# Altium PCB nRF52840-kit.PcbDoc (part 1 of 5)
Units mm, origin at the board's own origin, x right, y up, seen from the top; angles counter-clockwise.
Board outline 48 x 29.82 mm, 4 copper layers (Top Layer, Mid-Layer 1, Mid-Layer 2, Bottom Layer), stack 1.505 mm thick; 383 components, 85 nets, 1399 pads, 1434 vias.
Unrouted connection lines stored in the file: 8.
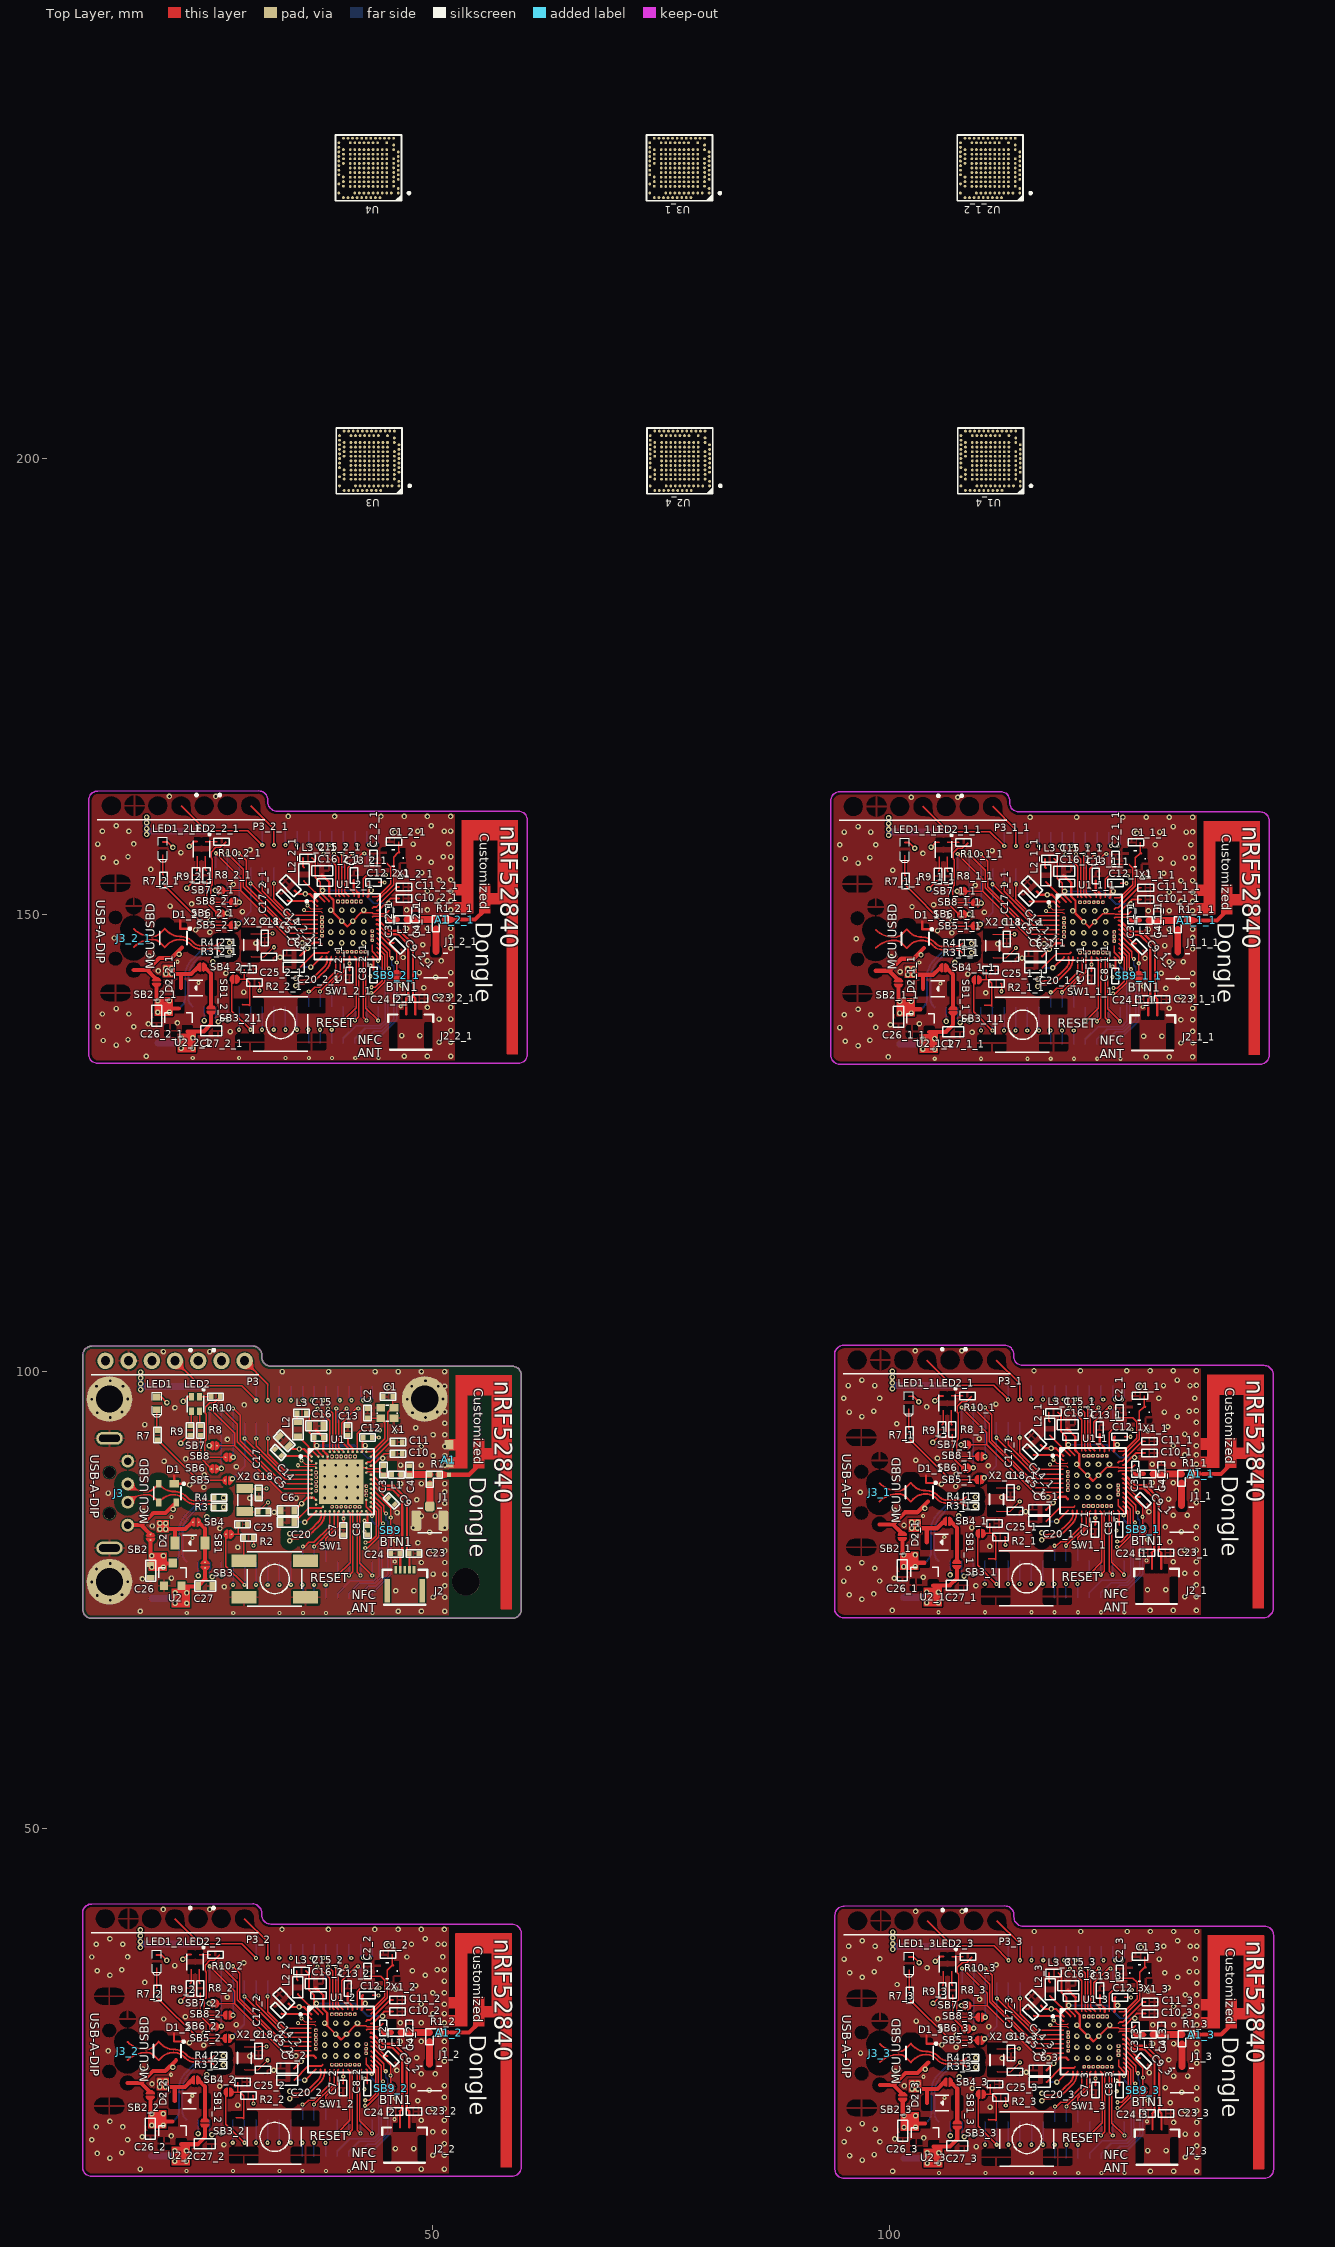
[diagram p0: Top Layer view]
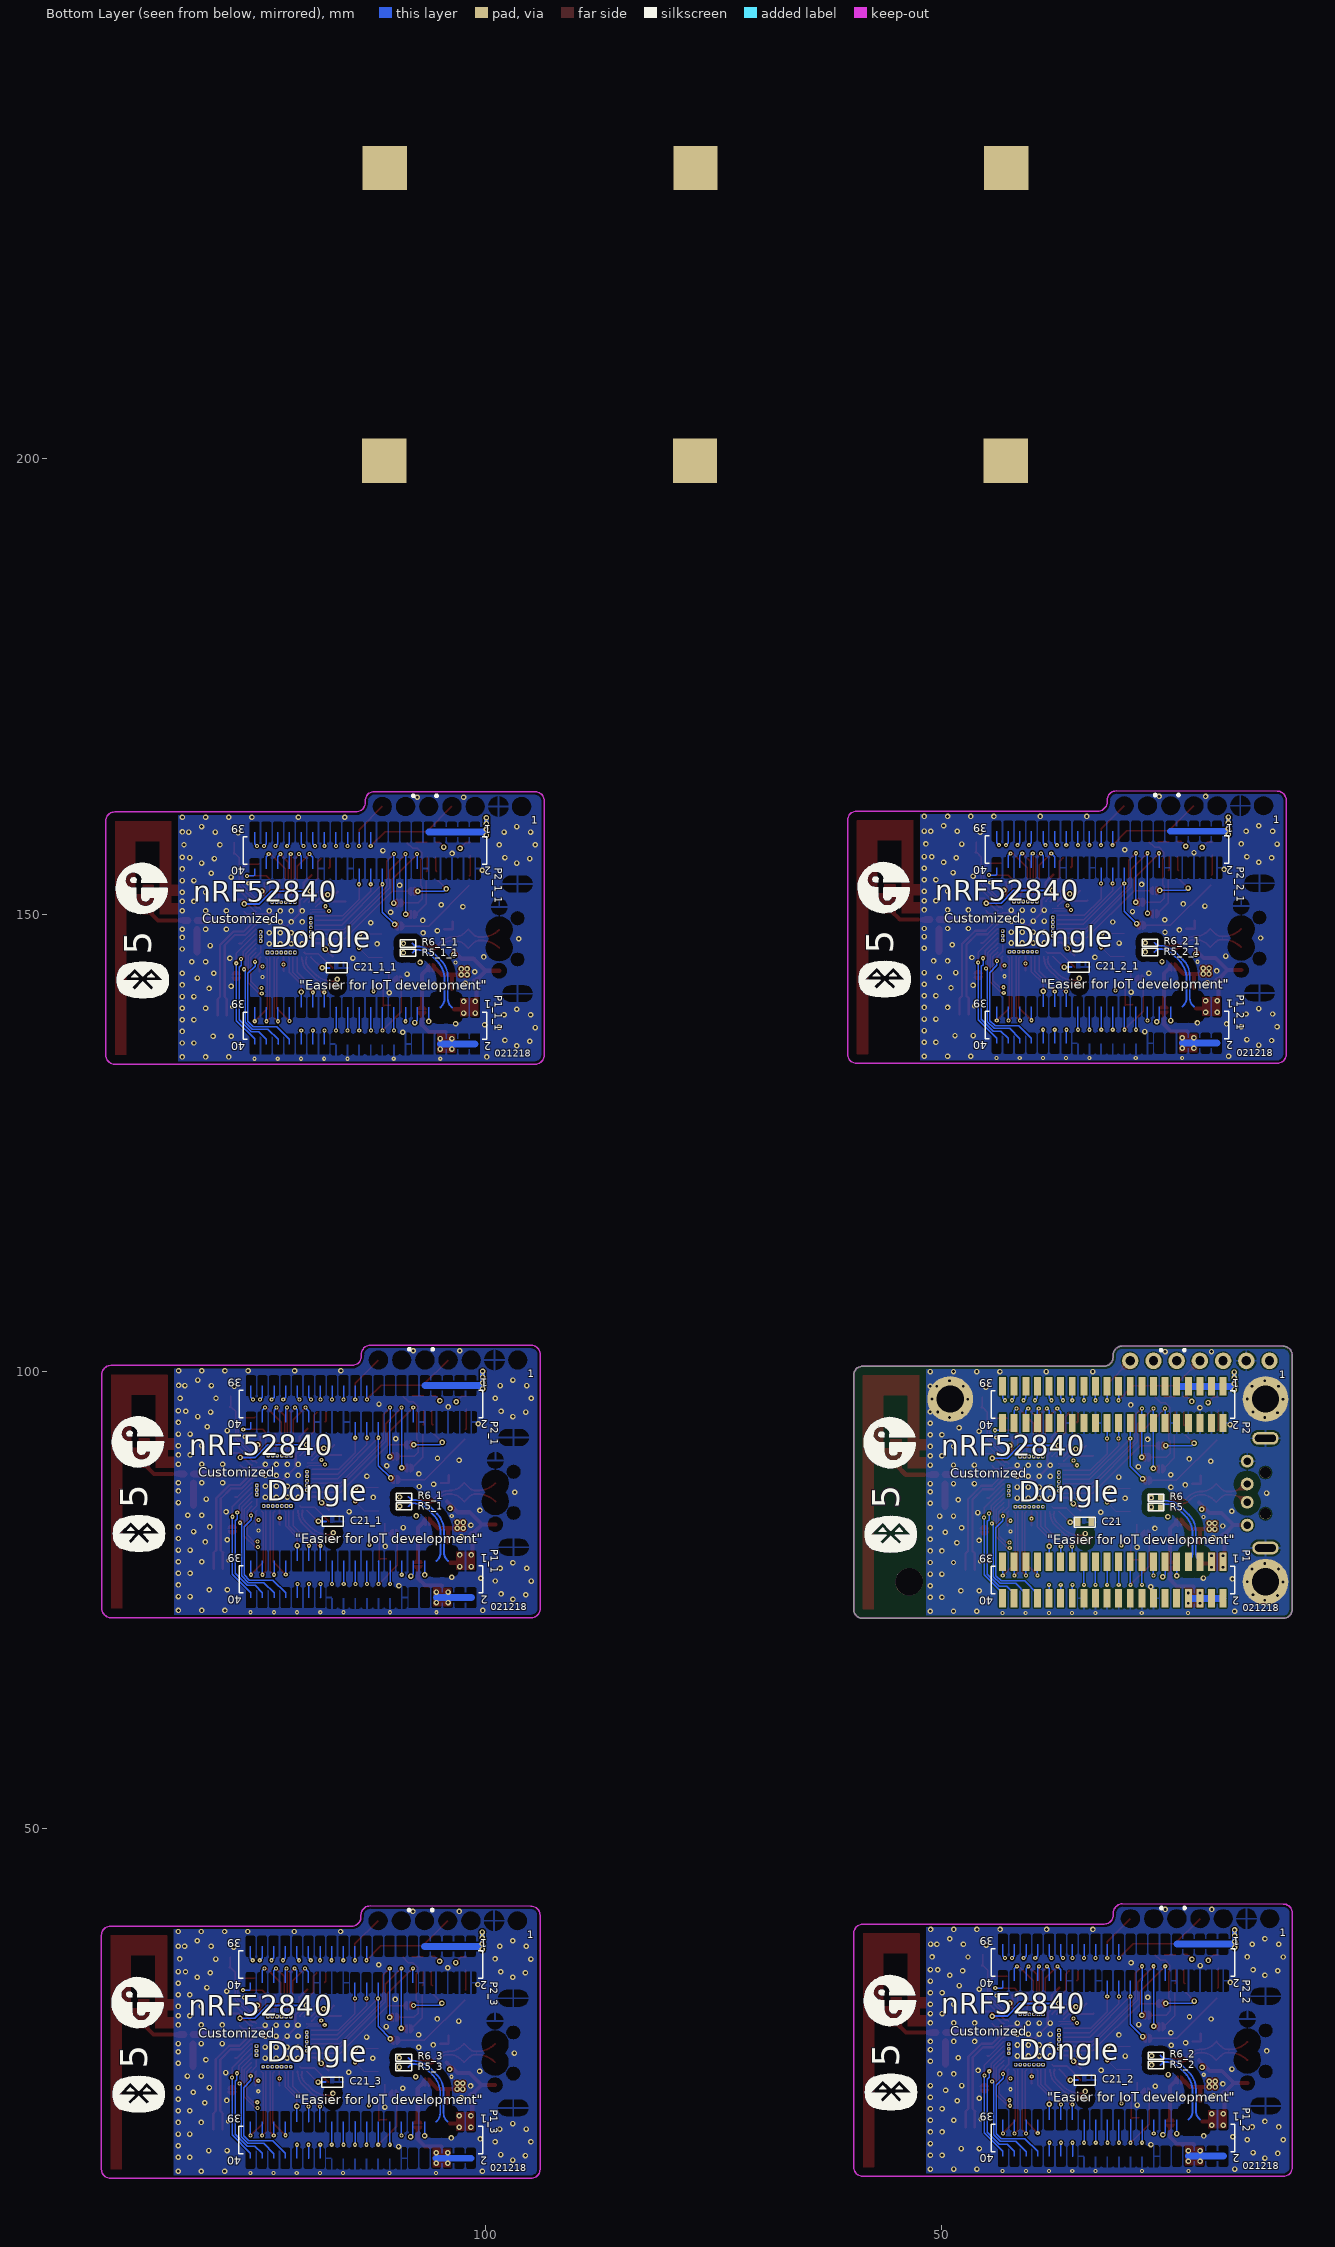
[diagram p1: Bottom Layer view, seen from below]
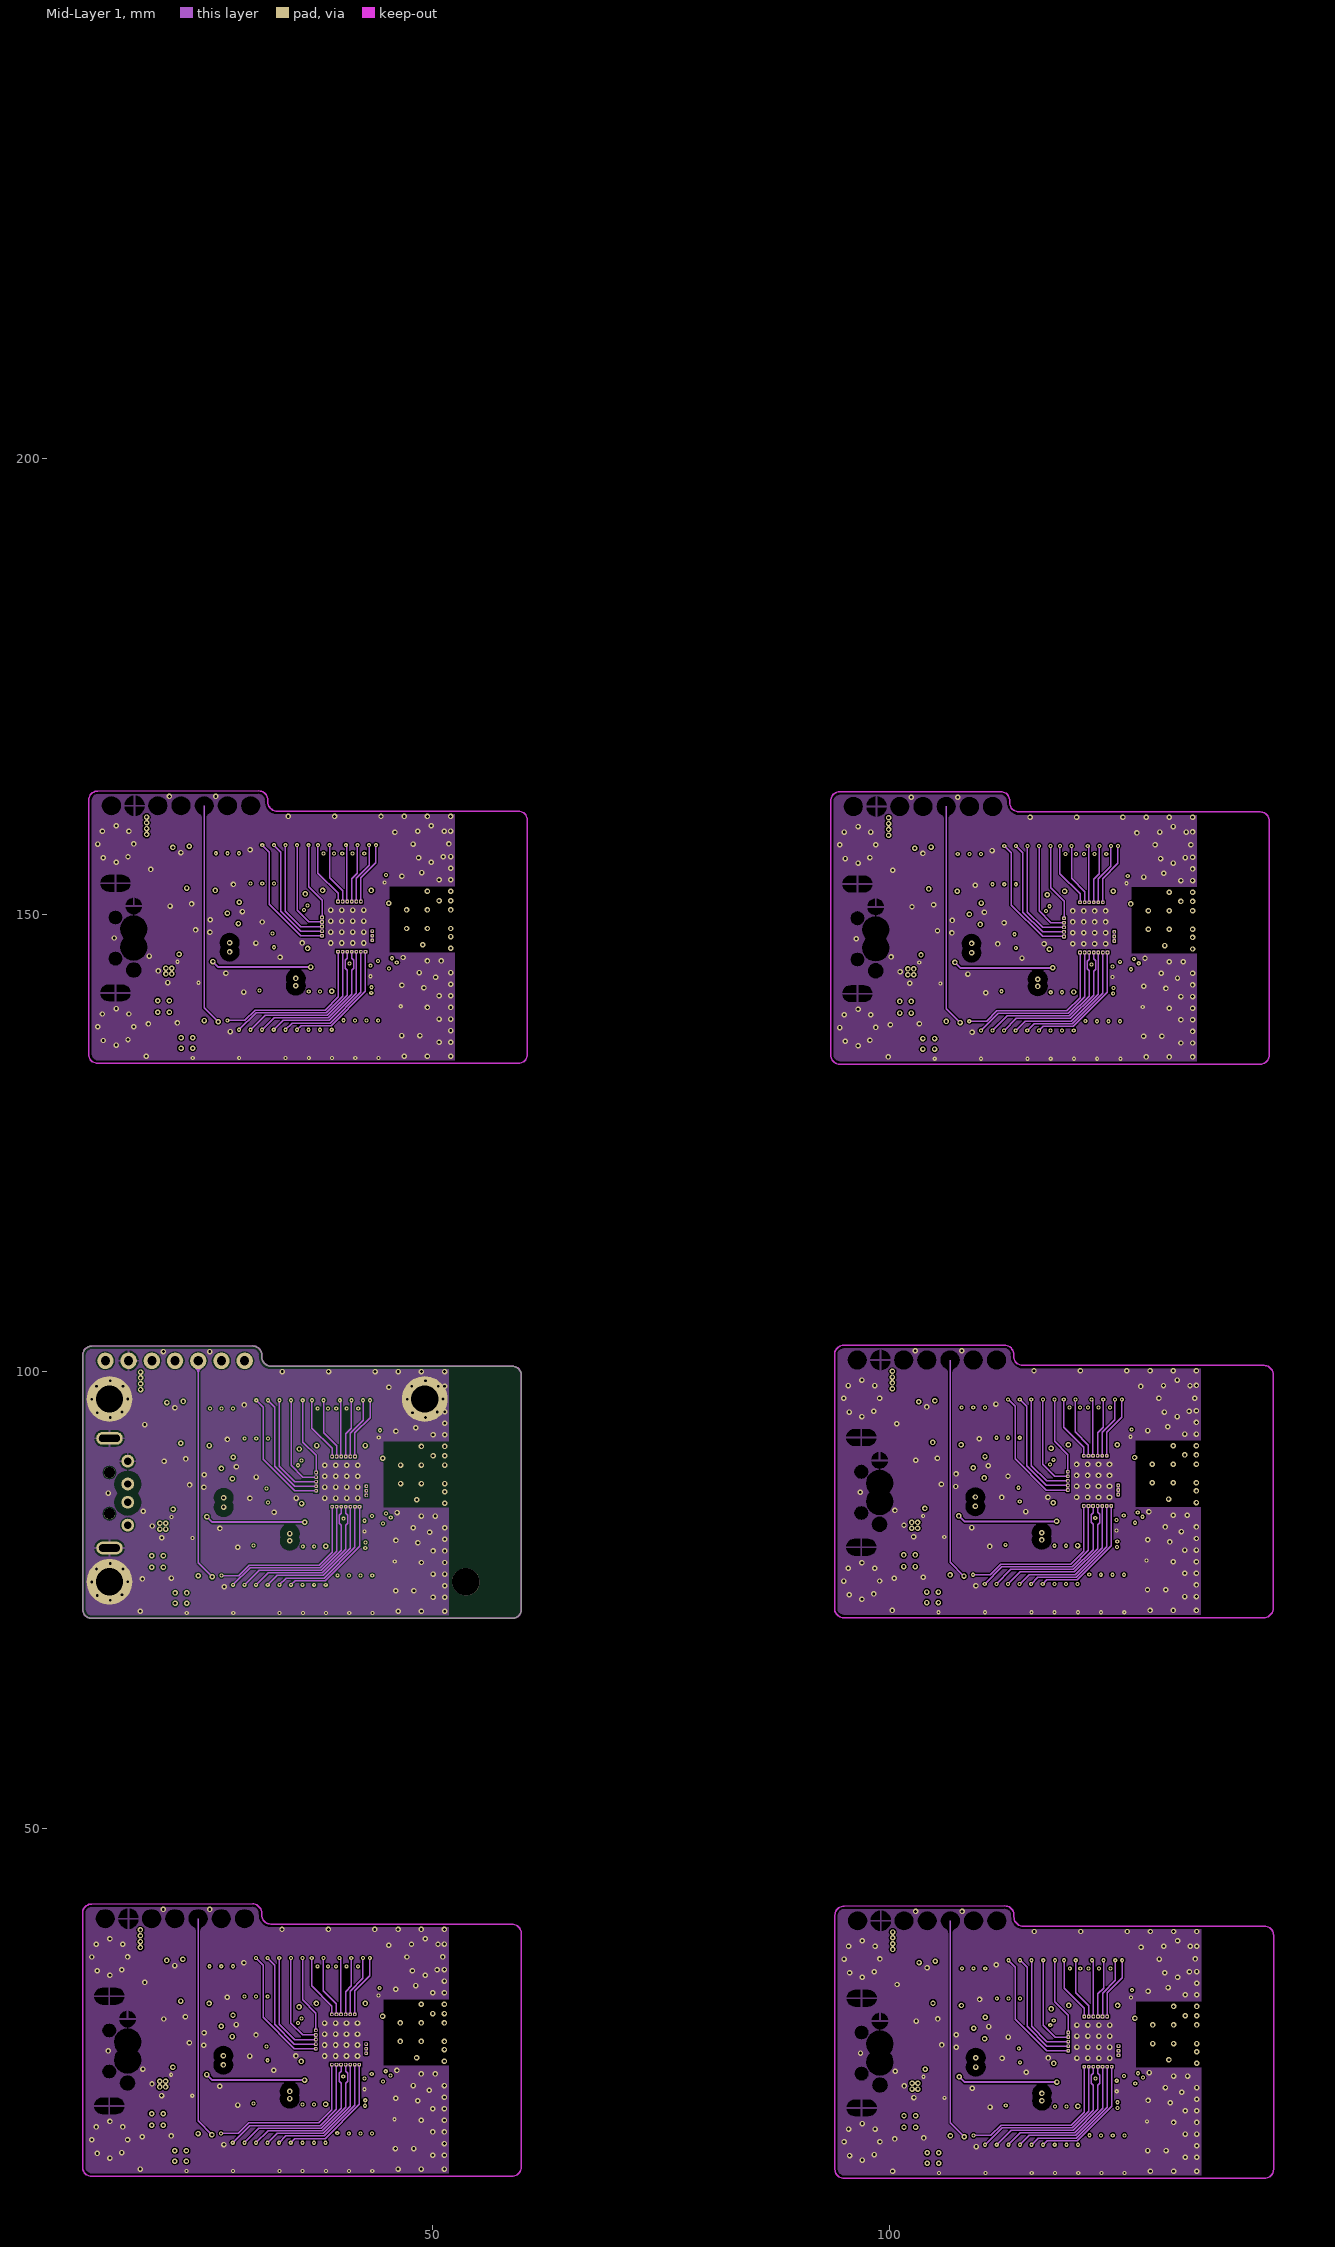
[diagram p2: Mid-Layer 1]
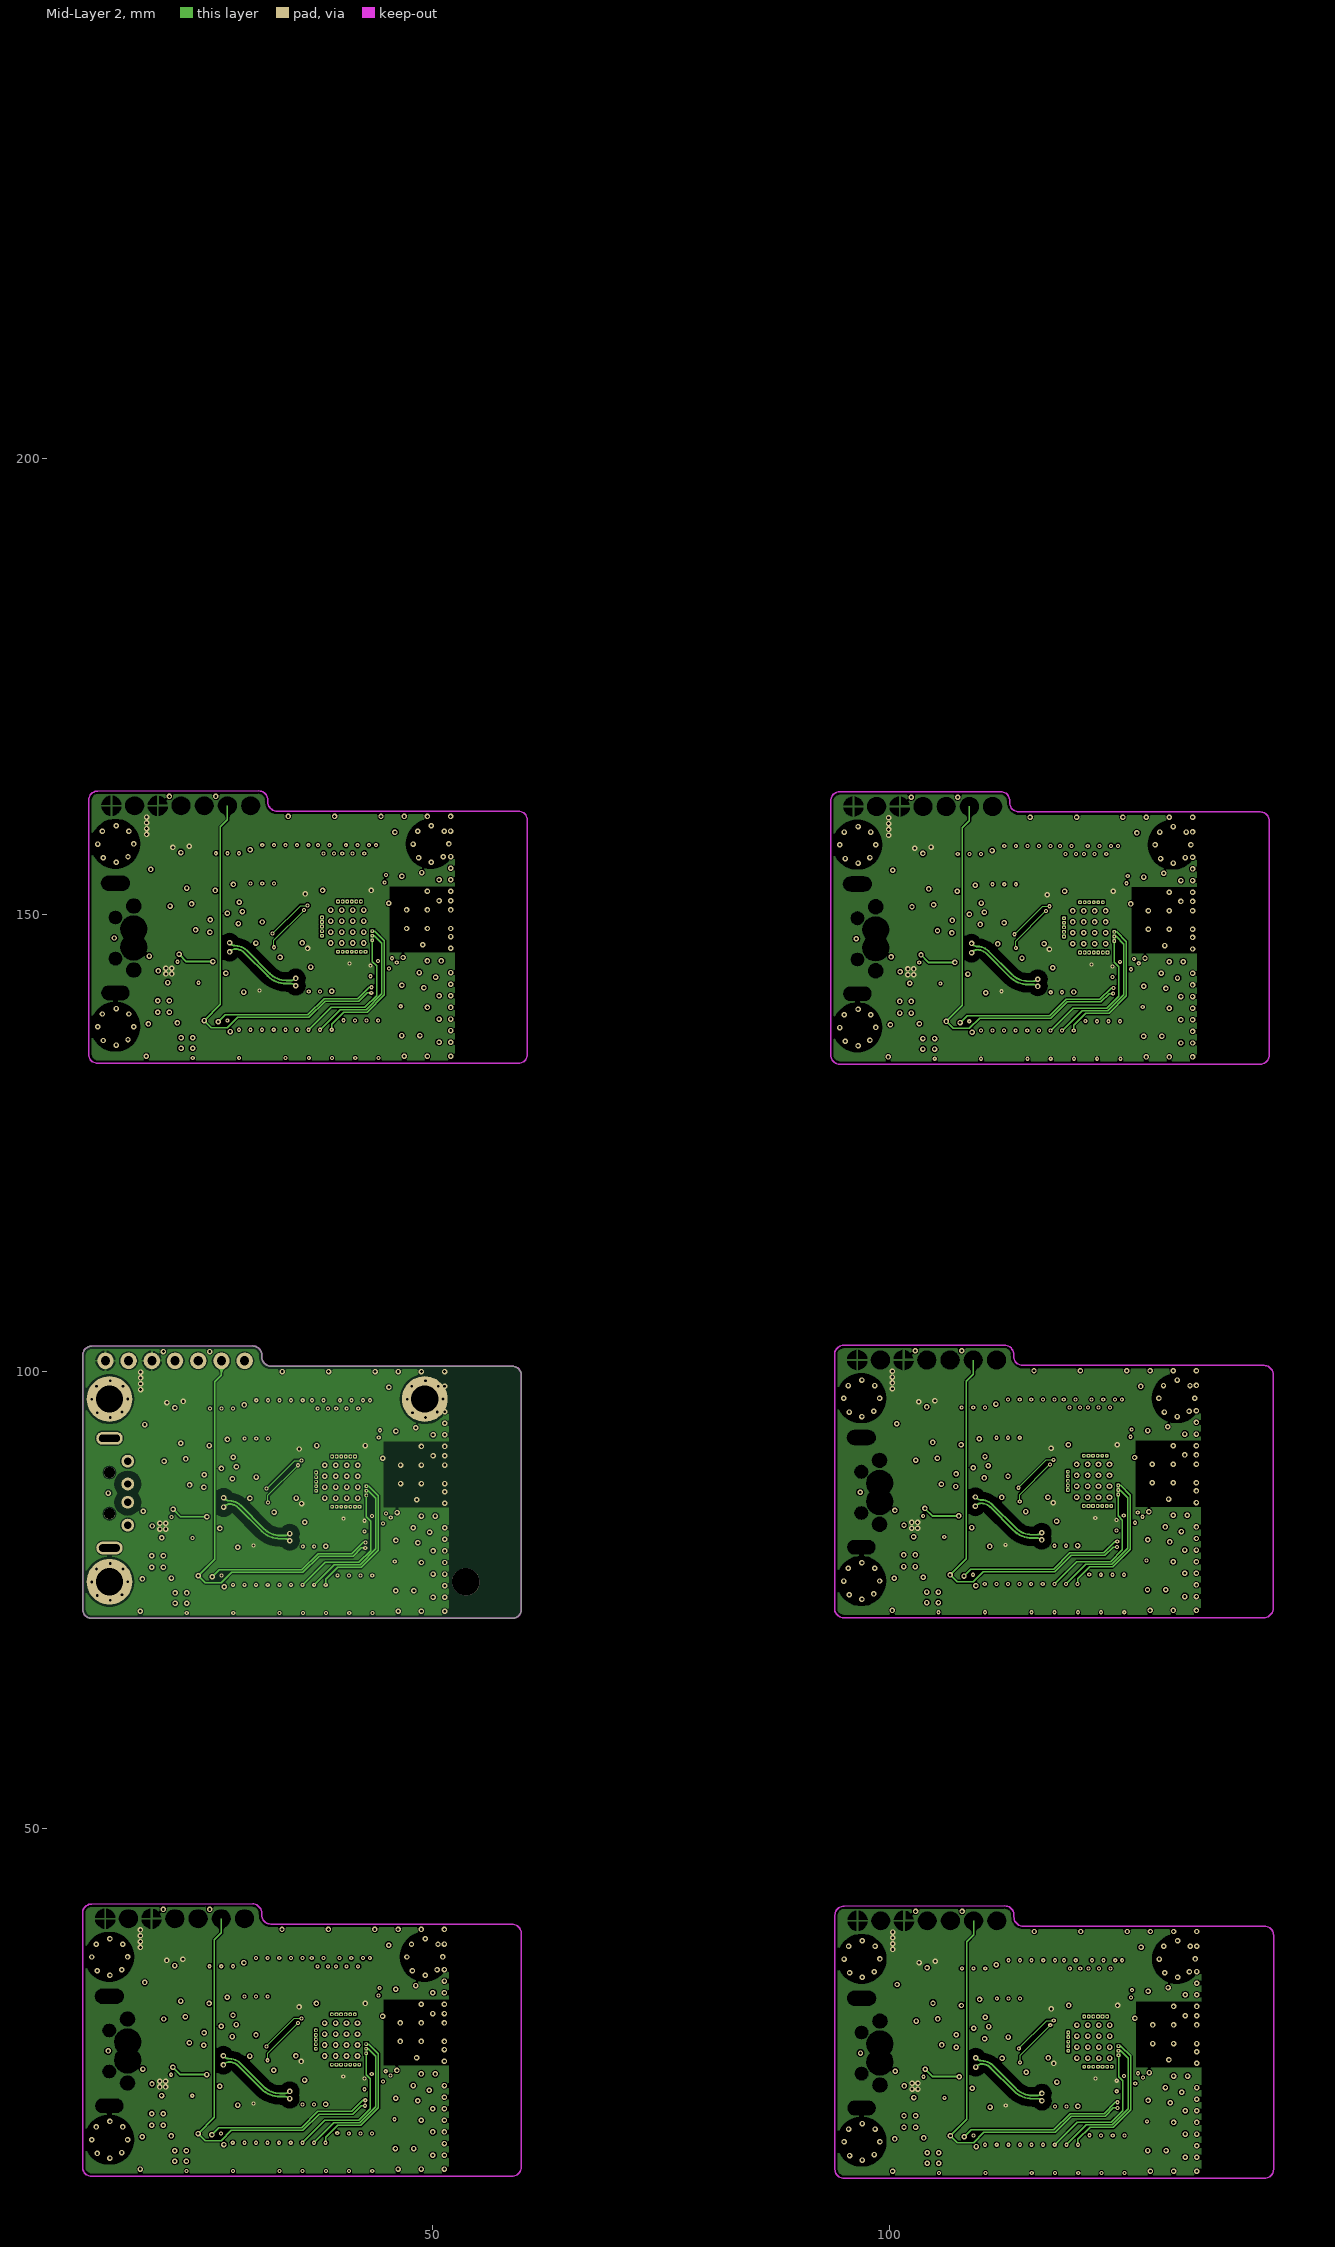
[diagram p3: Mid-Layer 2]

## Layer stack, top to bottom
Top Solder: solder mask 0.0475, Solder Resist, Dk 3.5
Top Layer: signal copper 0.0175
Dielectric1: prepreg 0.1, FR-4, Dk 3.72
Mid-Layer 1: signal copper 0.035
Dielectric2: core 1.2, FR-4, Dk 3.72
Mid-Layer 2: signal copper 0.035
Dielectric3: prepreg 0.1, FR-4, Dk 3.72
Bottom Layer: signal copper 0.0175
Bottom Solder: solder mask 0.0475, Solder Resist, Dk 3.5

## Board outline
11.673,74.009 11.673,101.809 cw(c12.673,101.809) 12.673,102.809 30.273,102.825 cw(c30.266,101.817) 31.273,101.809 31.273,101.625 ccw(c32.281,101.617) 32.273,100.609 58.673,100.609 cw(c58.673,99.609) 59.673,99.609 59.673,74.009 cw(c58.673,74.009) 58.673,73.009 12.673,73.009 cw(c12.673,74.009)

## Design rules (kind name [scope] priority, off if disabled: settings)
Clearance Outline_Clearance [IsKeepOut] p1: gap=0.127 ignorepadtopadclearanceinfootprint=FALSE except(0.254: Arc-Fill Arc-Poly Arc-Region Track-Fill Track-Poly Track-Region SMDPad-Fill SMDPad-Poly SMDPad-Region THPad-Fill THPad-Poly THPad-Region Via-Fill Via-Poly Via-Region Fill-Fill Fill-Poly Fill-Region Poly-Poly Poly-Region Region-Region)
Clearance FreePad_Clearance [InNamedPolygon('Mid Layer 2-VDD') vs HasPad('Free-0')] p2: gap=0.127 ignorepadtopadclearanceinfootprint=FALSE except(0.254: Arc-Fill Arc-Poly Arc-Region Track-Fill Track-Poly Track-Region SMDPad-Fill SMDPad-Poly SMDPad-Region THPad-Fill THPad-Poly THPad-Region Via-Fill Via-Poly Via-Region Fill-Fill Fill-Poly Fill-Region Poly-Poly Poly-Region Region-Region)
Clearance SoC_FIl_Clearance [IsFill or IsVia vs IsFill or IsVia or HasFootprint('AQFN50P700X700X85_HS-74N')] p3: gap=0.089 ignorepadtopadclearanceinfootprint=FALSE
Clearance USB_Clearance [InNamedPolygon('Top Layer-GND') or InNamedPolygon('Bottom Layer-GND') or InNamedPolygon('Mid Layer 1-GND') or InNamedPolygon('Mid Layer 2-VDD') vs InAnyDifferentialPair] p4: gap=0.127 ignorepadtopadclearanceinfootprint=FALSE except(0.762: Arc-Fill Arc-Poly Arc-Region Track-Fill Track-Poly Track-Region SMDPad-Fill SMDPad-Poly SMDPad-Region THPad-Fill THPad-Poly THPad-Region Via-Fill Via-Poly Via-Region Fill-Fill Fill-Poly Fill-Region Poly-Poly Poly-Region Region-Region)
Clearance ANT_error_Clearance [HasFootprint('IFA_ANTENNA')] p5: gap=0 ignorepadtopadclearanceinfootprint=FALSE
Clearance SoC [HasFootprint('AQFN50P700X700X85_HS-74N')] p6: gap=0.089 ignorepadtopadclearanceinfootprint=FALSE except(0.127: Arc-Fill Arc-Poly Arc-Region Track-Fill Track-Poly Track-Region SMDPad-Fill SMDPad-Poly SMDPad-Region THPad-Fill THPad-Poly THPad-Region Via-Fill Via-Poly Via-Region Fill-Fill Fill-Poly Fill-Region Poly-Poly Poly-Region Region-Region)
Clearance RF_Clearance [InNet('ANT') or InNet('RF') or InNet('RF1')] p7: gap=0.089 ignorepadtopadclearanceinfootprint=FALSE except(0.152: Arc-Fill Arc-Poly Arc-Region Track-Fill Track-Poly Track-Region SMDPad-Fill SMDPad-Poly SMDPad-Region THPad-Fill THPad-Poly THPad-Region Via-Fill Via-Poly Via-Region Fill-Fill Fill-Poly Fill-Region Poly-Poly Poly-Region Region-Region)
Clearance SB_Clearance [HasFootprint('Solderbridge')] p8: gap=0.254 ignorepadtopadclearanceinfootprint=FALSE except(0.089: Arc-Arc Arc-Track Arc-Text Track-Track Track-Text SMDPad-Text THPad-Text Via-Text Fill-Text Poly-Text Region-Text Text-Text; 0.127: Arc-SMDPad Arc-THPad Arc-Via Arc-Hole Track-SMDPad Track-THPad Track-Via Track-Hole SMDPad-SMDPad SMDPad-THPad SMDPad-Via SMDPad-Hole THPad-THPad THPad-Via THPad-Hole Via-Via Via-Hole Fill-Hole Poly-Hole Region-Hole Text-Hole)
Clearance Clearance_basic [All] p9: gap=0.127 ignorepadtopadclearanceinfootprint=FALSE
DiffPairsRouting [All] p1: maxlimit=0.152 minlimit=0.152 mostfreqgap=0.152 toplayer_minwidth=0.203 toplayer_maxwidth=0.203 toplayer_prefwidth=0.203 midlayer1_minwidth=0.203 midlayer1_maxwidth=0.203 midlayer1_prefwidth=0.203 midlayer2_minwidth=0.203 midlayer2_maxwidth=0.203 midlayer2_prefwidth=0.203 bottomlayer_minwidth=0.203 bottomlayer_maxwidth=0.203 bottomlayer_prefwidth=0.203 maxuncoupledlength=12.7
HoleSize [All] p1: absolutevalues=TRUE maxlimit=6.3 minlimit=0.2 maxpercent=80.000 minpercent=20.000
MinimumSolderMaskSliver [All] p1: minsoldermaskwidth=0
PolygonConnect PolygonConnect_1 [(IsVia and (InNet('VDD_nRF') or InNet('GND'))) or  (HasPad('Free-0'))or (HasFootprint('HRS_U.FL-R-SMT')) or (HasFootprint('IFA_ANTENNA'))] p1: connectstyle=Direct reliefconductorwidth=0.254 reliefentries=4 polygonreliefangle="90 Angle" airgapwidth=0.254
PolygonConnect [All] p2: connectstyle=Relief reliefconductorwidth=0.254 reliefentries=4 polygonreliefangle="90 Angle" airgapwidth=0.203
RoomDefinition nRF52840-MCU [InComponentClass('nRF52840-MCU')] p1: confinementstyle=ConfineIn formatcopy=TRUE lockcomponents=FALSE outline -65.786,-13.876 -14.986,-13.876 -14.986,11.524 -65.786,11.524
RoutingVias [All] p1: holewidth=0.3 width=0.6 viastyle="Through Hole" minholewidth=0.2 minwidth=0.4 maxholewidth=0.7 maxwidth=1
SilkToSilkClearance [All] p1: silktosilkclearance=0
SilkToSolderMaskClearance [IsPad] p1: minsilkscreentomaskgap=0 clearancetoexposedcopper=TRUE
SolderMaskExpansion [All] p1: expansion=0.102
Width [All] p1: maxlimit=1.27 minlimit=0.089 preferedwidth=0.152
25 further rules are at their usual default settings.

## Classes and differential pairs
component class nRF52840-MCU: A1 C1 C2 C3 C4 C5 C6 C7 C8 C9 C10 C11 C12 C13 C14 C15 C16 C17 C18 C20 C21 C23 C24 C25 J1 J2 L1 L2 L3 R1 R2 SB1 SW1 U1 X1 X2
component class misc: C26 C27 D1 D2 J3 LED1 LED2 P1 P2 P3 R3 R4 R5 R6 R7 R8 R9 R10 SB2 SB3 SB4 SB5 SB6 SB7 SB8 SB9 U2
differential pair D2: +D2_P -D2_N
differential pair D: +D_P -D_N
differential pair D1: +D1_P -D1_N

## Components (designator, comment, footprint, x,y, rotation, side; value= is the part's Value field where it differs from the comment)
A1 "IFA Antenna" IFA_ANTENNA#1 51.74,88.74 r270 top locked
A1_1 "IFA Antenna" IFA_ANTENNA#2 134.016,88.827 r270 top (schematic designator A1)
A1_1_1 "IFA Antenna" IFA_ANTENNA#2 133.591,149.402 r270 top (schematic designator A1)
A1_2 "IFA Antenna" IFA_ANTENNA#2 51.719,27.688 r270 top (schematic designator A1)
A1_2_1 "IFA Antenna" IFA_ANTENNA#2 52.394,149.488 r270 top (schematic designator A1)
A1_3 "IFA Antenna" IFA_ANTENNA#2 134.054,27.463 r270 top (schematic designator A1)
C1 "12pF" "0402 imperial"#1 45.079,97.286 r180 top
C1_1 "12pF" "0402 imperial"#2 127.355,97.373 r180 top (schematic designator C1)
C1_1_1 "12pF" "0402 imperial"#2 126.93,157.948 r180 top (schematic designator C1)
C1_2 "12pF" "0402 imperial"#2 45.058,36.234 r180 top (schematic designator C1)
C1_2_1 "12pF" "0402 imperial"#2 45.733,158.034 r180 top (schematic designator C1)
C1_3 "12pF" "0402 imperial"#2 127.393,36.009 r180 top (schematic designator C1)
C2 "12pF" "0402 imperial"#1 42.852,95.483 r90 top
C2_1 "12pF" "0402 imperial"#2 125.128,95.57 r90 top (schematic designator C2)
C2_1_1 "12pF" "0402 imperial"#2 124.703,156.145 r90 top (schematic designator C2)
C2_2 "12pF" "0402 imperial"#2 42.831,34.431 r90 top (schematic designator C2)
C2_2_1 "12pF" "0402 imperial"#2 43.506,156.231 r90 top (schematic designator C2)
C2_3 "12pF" "0402 imperial"#2 125.166,34.206 r90 top (schematic designator C2)
C3 "1.0pF" "0402 imperial"#1 44.577,89.248 r270 top
C3_1 "1.0pF" "0402 imperial"#2 126.853,89.335 r270 top (schematic designator C3)
C3_1_1 "1.0pF" "0402 imperial"#2 126.428,149.91 r270 top (schematic designator C3)
C3_2 "1.0pF" "0402 imperial"#2 44.556,28.196 r270 top (schematic designator C3)
C3_2_1 "1.0pF" "0402 imperial"#2 45.231,149.996 r270 top (schematic designator C3)
C3_3 "1.0pF" "0402 imperial"#2 126.891,27.971 r270 top (schematic designator C3)
C4 "1.0pF" "0402 imperial"#1 47.422,89.24 r270 top
C4_1 "1.0pF" "0402 imperial"#2 129.698,89.327 r270 top (schematic designator C4)
C4_1_1 "1.0pF" "0402 imperial"#2 129.273,149.902 r270 top (schematic designator C4)
C4_2 "1.0pF" "0402 imperial"#2 47.401,28.188 r270 top (schematic designator C4)
C4_2_1 "1.0pF" "0402 imperial"#2 48.076,149.988 r270 top (schematic designator C4)
C4_3 "1.0pF" "0402 imperial"#2 129.736,27.963 r270 top (schematic designator C4)
C5 "100nF" "0402 imperial"#1 33.078,91.17 r315 top
C5_1 "100nF" "0402 imperial"#2 115.354,91.257 r315 top (schematic designator C5)
C5_1_1 "100nF" "0402 imperial"#2 114.929,151.832 r315 top (schematic designator C5)
C5_2 "100nF" "0402 imperial"#2 33.057,30.118 r315 top (schematic designator C5)
C5_2_1 "100nF" "0402 imperial"#2 33.732,151.918 r315 top (schematic designator C5)
C5_3 "100nF" "0402 imperial"#2 115.392,29.893 r315 top (schematic designator C5)
C6 "4.7µF" 0603_Imperial#1 34.089,84.815 r0 top
C6_1 "4.7µF" 0603_Imperial#2 116.365,84.902 r0 top (schematic designator C6)
C6_1_1 "4.7µF" 0603_Imperial#2 115.94,145.477 r0 top (schematic designator C6)
C6_2 "4.7µF" 0603_Imperial#2 34.068,23.763 r0 top (schematic designator C6)
C6_2_1 "4.7µF" 0603_Imperial#2 34.743,145.563 r0 top (schematic designator C6)
C6_3 "4.7µF" 0603_Imperial#2 116.403,23.538 r0 top (schematic designator C6)
C7 "100nF" "0402 imperial"#1 40.185,82.656 r90 top
C7_1 "100nF" "0402 imperial"#2 122.461,82.743 r90 top (schematic designator C7)
C7_1_1 "100nF" "0402 imperial"#2 122.036,143.318 r90 top (schematic designator C7)
C7_2 "100nF" "0402 imperial"#2 40.164,21.604 r90 top (schematic designator C7)
C7_2_1 "100nF" "0402 imperial"#2 40.839,143.404 r90 top (schematic designator C7)
C7_3 "100nF" "0402 imperial"#2 122.499,21.379 r90 top (schematic designator C7)
C8 "100nF" "0402 imperial"#1 42.827,82.656 r90 top
C8_1 "100nF" "0402 imperial"#2 125.103,82.743 r90 top (schematic designator C8)
C8_1_1 "100nF" "0402 imperial"#2 124.678,143.318 r90 top (schematic designator C8)
C8_2 "100nF" "0402 imperial"#2 42.806,21.604 r90 top (schematic designator C8)
C8_2_1 "100nF" "0402 imperial"#2 43.481,143.404 r90 top (schematic designator C8)
C8_3 "100nF" "0402 imperial"#2 125.141,21.379 r90 top (schematic designator C8)
C9 "820pF" "0402 imperial"#1 45.46,85.856 r135 top
C9_1 "820pF" "0402 imperial"#2 127.736,85.943 r135 top (schematic designator C9)
C9_1_1 "820pF" "0402 imperial"#2 127.311,146.518 r135 top (schematic designator C9)
C9_2 "820pF" "0402 imperial"#2 45.439,24.804 r135 top (schematic designator C9)
C9_2_1 "820pF" "0402 imperial"#2 46.114,146.604 r135 top (schematic designator C9)
C9_3 "820pF" "0402 imperial"#2 127.774,24.579 r135 top (schematic designator C9)
C10 "N.C." "0402 imperial"#1 46.154,91.038 r0 top
C10_1 "N.C." "0402 imperial"#2 128.43,91.125 r0 top (schematic designator C10)
C10_1_1 "N.C." "0402 imperial"#2 128.005,151.7 r0 top (schematic designator C10)
C10_2 "N.C." "0402 imperial"#2 46.133,29.986 r0 top (schematic designator C10)
C10_2_1 "N.C." "0402 imperial"#2 46.808,151.786 r0 top (schematic designator C10)
C10_3 "N.C." "0402 imperial"#2 128.468,29.761 r0 top (schematic designator C10)
C11 "100pF" "0402 imperial"#1 46.154,92.308 r0 top
C11_1 "100pF" "0402 imperial"#2 128.43,92.395 r0 top (schematic designator C11)
C11_1_1 "100pF" "0402 imperial"#2 128.005,152.97 r0 top (schematic designator C11)
C11_2 "100pF" "0402 imperial"#2 46.133,31.256 r0 top (schematic designator C11)
C11_2_1 "100pF" "0402 imperial"#2 46.808,153.056 r0 top (schematic designator C11)
C11_3 "100pF" "0402 imperial"#2 128.468,31.031 r0 top (schematic designator C11)
C12 "100nF" "0402 imperial"#1 42.852,92.816 r180 top
C12_1 "100nF" "0402 imperial"#2 125.128,92.903 r180 top (schematic designator C12)
C12_1_1 "100nF" "0402 imperial"#2 124.703,153.478 r180 top (schematic designator C12)